# Altium PCB PFC_Stage.PcbDoc (part 2 of 5) (continued)
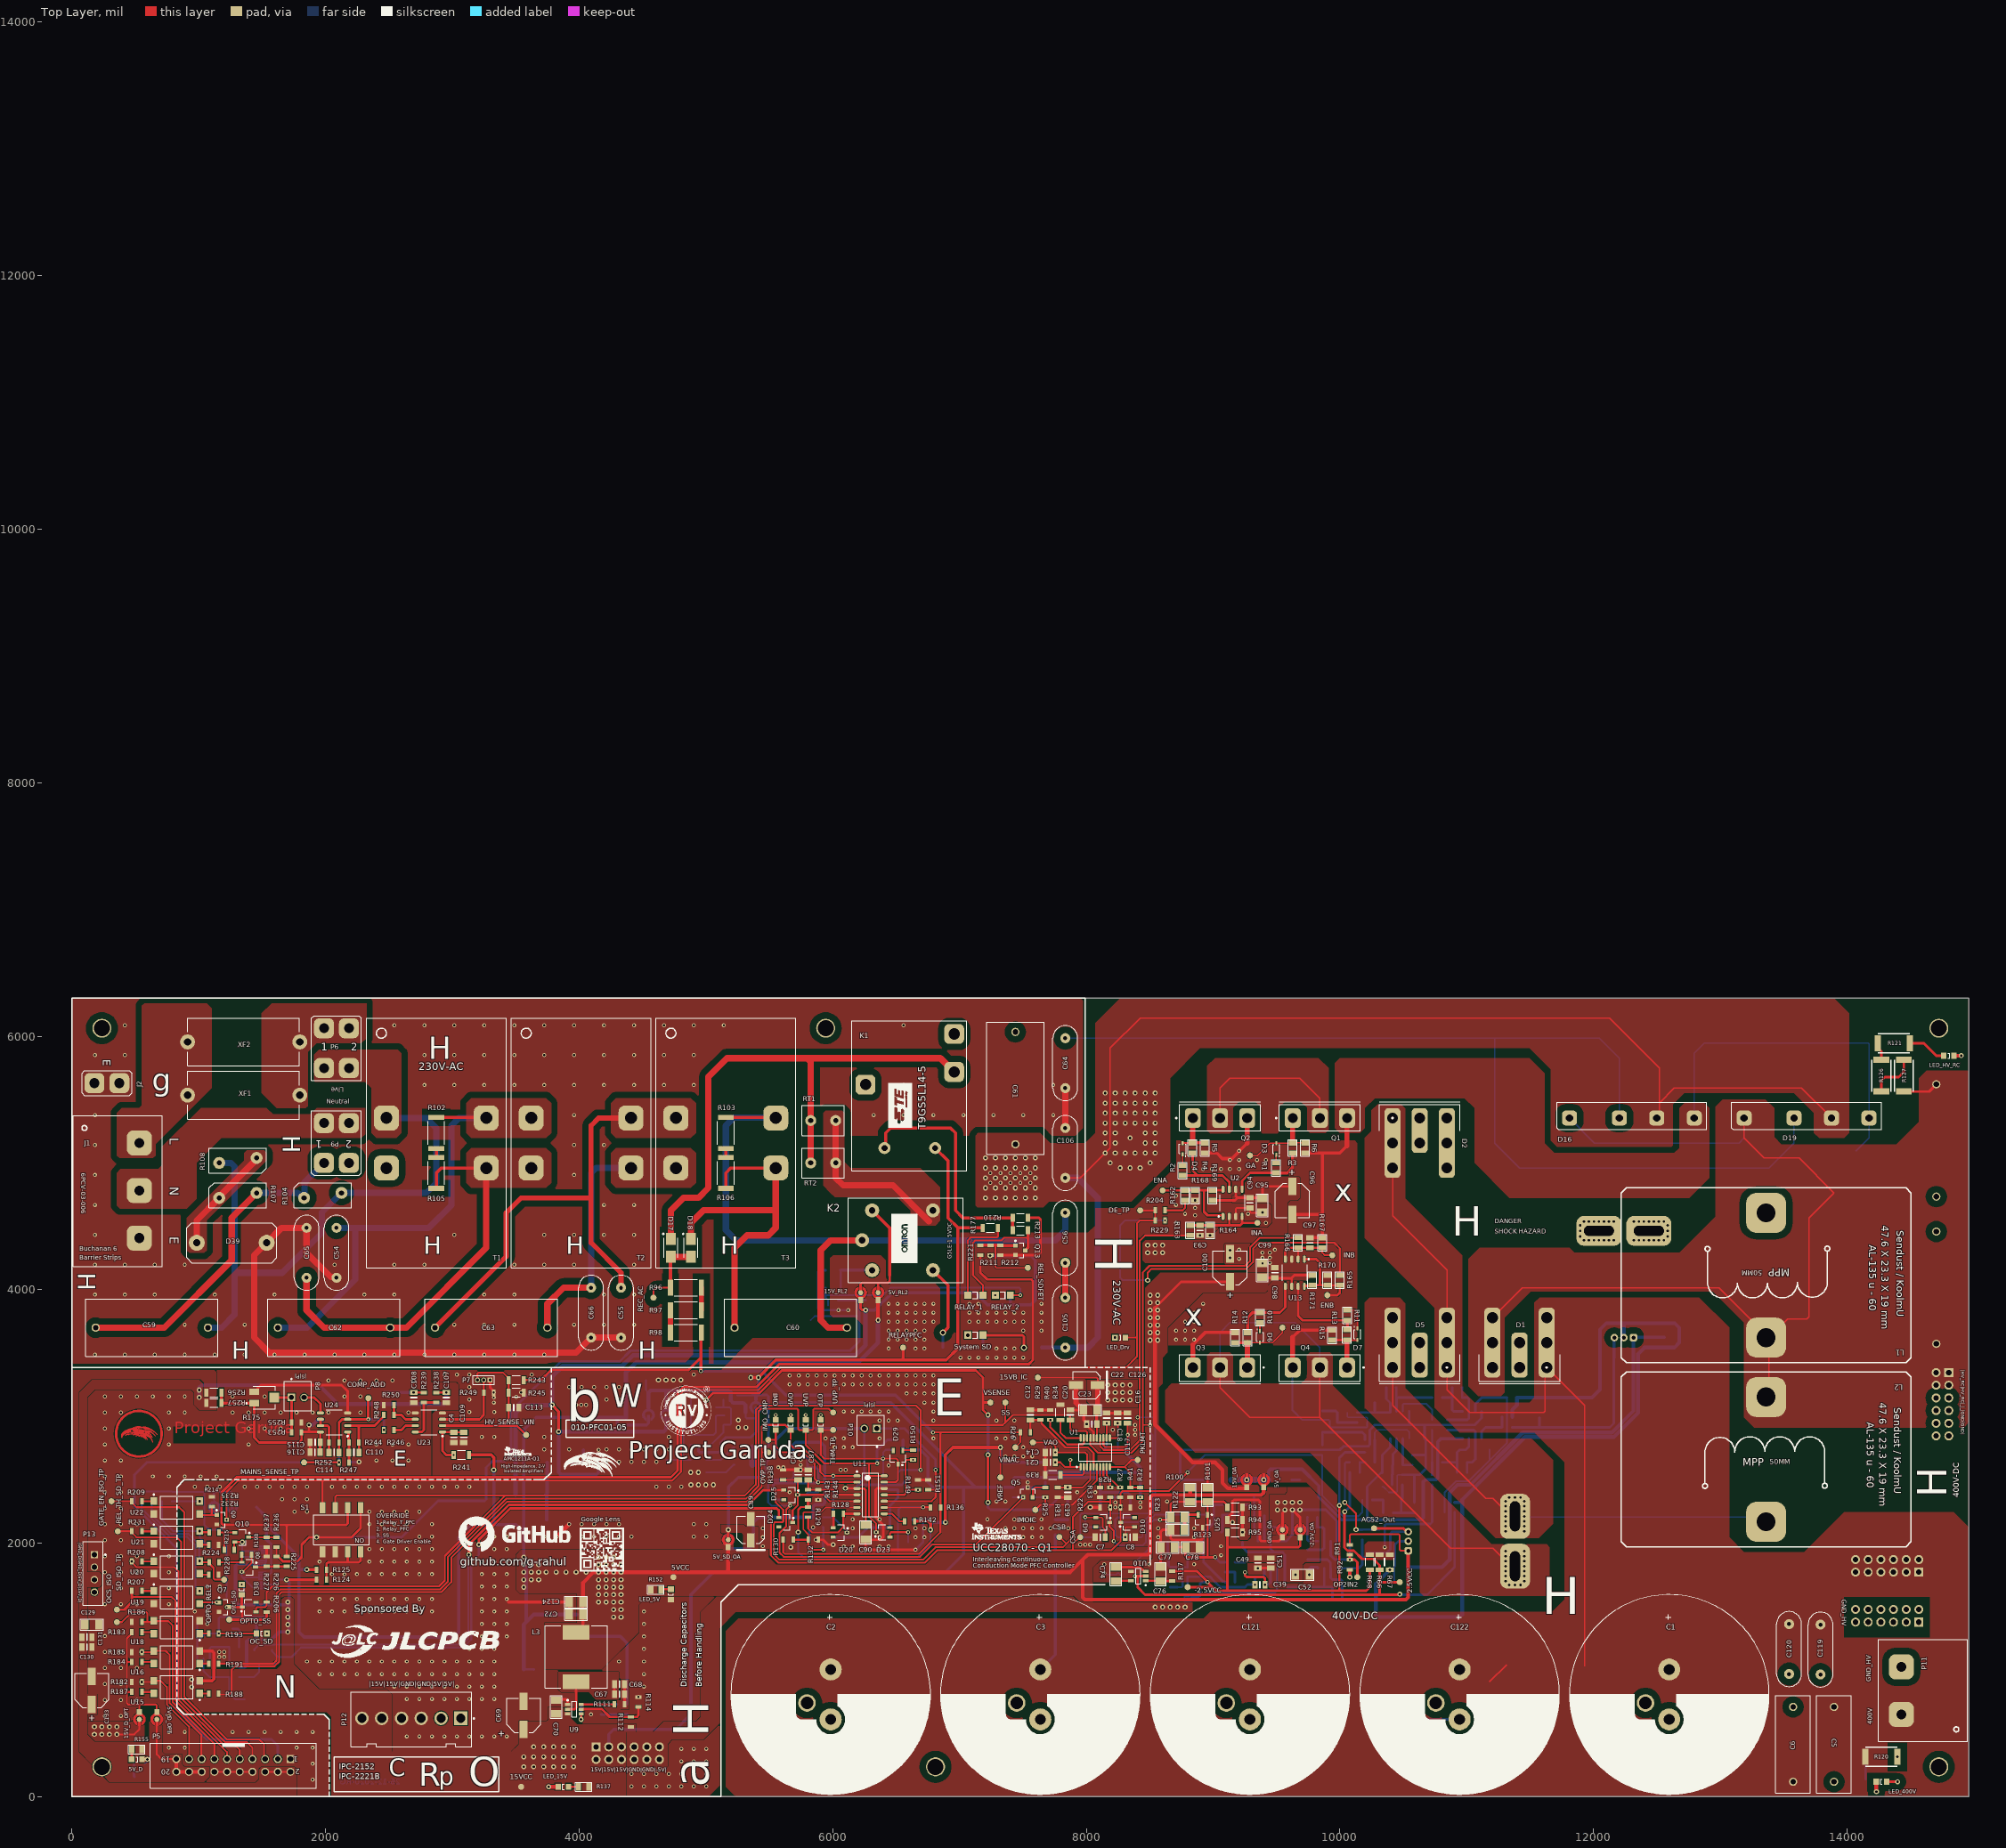
[diagram p0: Top Layer view]
## Part data (continued)
R7 R8 R9: library part 560050332001, "WRIS-KSKE Thick Film Resistors, size 1206, 0.05Ohm, +/-1%, 0.5W", Operating Temperature="-55 to +155degC", Rated Current=3.16A, Rated Power=0.5W, Resistance Tolerance=+/-1%, Temperature Coefficient of Resistance=250ppm/degC, ComponentLink1Description=Manufacturer, ComponentLink1URL=http://www.we-online.de, ComponentLink2Description=Datasheet, ComponentLink2URL=https://katalog.we-online.com/pbs/datasheet/560050332001.pdf, Height=0.6mm, Length=3.1mm, Mounting Technology=SMT, Packaging="Tape and Reel", Part Number=560050332001, Published Date="September 2019", Publisher="Wurth Elektronik", Resistance=0.05Ohm, Size=1206, Technical Reference=KE1206R050F102LAATP0000, Width=1.6mm
R16 R17 R18 R19 R20 R21 R22 R23 R24 R25 R26 R27 R28 R29 R30 R31 R32 R33 R34 R35 R36 R37 R38 R39 R40 R41 R42 R43 R44 R45 R46 R47 R48 R49 R50 R51 R52 R53 R54 R55 R56 R57 R58 R59 R60 R61 R62 R63 R64 R65 R66 R67 R68 R69 R70 R71 R72 R73 R74 R75 R76 R77 R78 R79 R80 R81 R82 R83 R84 R85 R86 R87 R88 R89 R90 R91 R92 R93 R94 R95 R99 R109 R110 R111 R112 R113 R114 R115 R116 R117 R124 R125 R128 R129 R130 R131 R132 R134 R135 R136 R138 R139 R140 R141 R142 R143 R144 R147 R148 R149 R150 R151 R156 R157 R158 R159 R160 R161 R176 R189 R190 R192 R194 R195 R196 R198 R199 R204 R206 R210 R211 R212 R213 R214 R215 R217 R218 R219 R220 R221 R224 R225 R226 R227 R229 R235 R236 R237 R238 R239 R241 R243 R244 R245 R246 R247 R248 R249 R250 R251 R252 R253 R255 R256 R257: library part Res1, "Resistor", LatestRevisionDate=17-Jul-2002, LatestRevisionNote="Re-released for DXP Platform.", PackageDescription="Axial Device, Thru-Hole; 2 Leads; 0.3 in Pin Spacing", PackageReference=AXIAL-0.3, Published=8-Jun-2000, Publisher="Altium Limited"
R96 R97 R98 R102 R103 R105 R106 R179: library part Res3, "Resistor", LatestRevisionDate=29-May-2009, LatestRevisionNote="IPC-7351 Footprint Added.", PackageDescription="Chip Resistor", PackageReference=J1-0603, Published=8-Jun-2000, Publisher="Altium Limited"
R100 R101: library part ERJ-8ENF4700V, "RES SMD 470 OHM 1% 1/4W 1206", Digi-Key Part Number=P470FCT-ND, Manufacturer="Panasonic Electronic Components", Operating Temperature="-55°C ~ 155°C", Package / Case="1206 (3216 Metric)", Power (Watts)="0.25W, 1/4W", Supplier Device Package=1206, Temperature Coefficient=±100ppm/°C, Tolerance=±1%, @ qty=1500, Composition="Thick Film", Datasheets=http://industrial.panasonic.com/www-cgi/jvcr13pz.cgi?E+PZ+3+AOA0002+ERJ8ENF4700V+7+WW, Factory Stock=0, Failure Rate=-, Features="Automotive AEC-Q200", Height - Seated (Max)="0.028\" (0.70mm)", Image=//media.digikey.com/Renders/Panasonic%20Renders/ERJ-1206%20Pkg.jpg, Minimum Quantity=1, Number of Terminations=2, Packaging="Cut Tape (CT)", Part Number=ERJ-8ENF4700V, Part Status=Active, Quantity Available=55045, Series=ERJ, Size / Dimension="0.126\" L x 0.063\" W (3.20mm x 1.60mm)", Unit Price (USD)=0.00933
R104 R107 R108: "Varistor (Voltage-Sensitive Resistor)", Code_IPC=RESC2012, LatestRevisionDate=29-May-2009, LatestRevisionNote="IPC-7351 Footprint Added.", PackageDescription="Chip Resistor 0805 Case Size", PackageReference=6-0805, PackageVersion=Mar-2003, Published=24-Mar-1999, Publisher="Altium Limited"
R118 R119 R120 R121 R126 R127: library part ERJ-1TNF1302U, "RES SMD 13K OHM 1% 1W 2512", Digi-Key Part Number=PT13.0KAFCT-ND, Manufacturer="Panasonic Electronic Components", Operating Temperature="-55°C ~ 155°C", Package / Case="2512 (6432 Metric)", Power (Watts)=1W, Supplier Device Package=2512, Temperature Coefficient=±100ppm/°C, Tolerance=±1%, @ qty=1500, Composition="Thick Film", Datasheets=http://industrial.panasonic.com/www-cgi/jvcr13pz.cgi?E+PZ+3+AOA0002+ERJ1TNF1302U+7+WW, Factory Stock=0, Failure Rate=-, Features="Automotive AEC-Q200", Height - Seated (Max)="0.028\" (0.70mm)", Image=//media.digikey.com/Renders/Panasonic%20Renders/ERJ-2512%20Pkg.jpg, Minimum Quantity=1, Number of Terminations=2, Packaging="Cut Tape (CT)", Part Number=ERJ-1TNF1302U, Part Status=Active, Quantity Available=2142, Series=ERJ, Size / Dimension="0.252\" L x 0.126\" W (6.40mm x 3.20mm)", Unit Price (USD)=0.14799
R122 R123: library part ERJ-8ENF1002V, "RES SMD 10K OHM 1% 1/4W 1206", Digi-Key Part Number=P10.0KFCT-ND, Manufacturer="Panasonic Electronic Components", Operating Temperature="-55°C ~ 155°C", Package / Case="1206 (3216 Metric)", Power (Watts)="0.25W, 1/4W", Supplier Device Package=1206, Temperature Coefficient=±100ppm/°C, Tolerance=±1%, @ qty=1500, Composition="Thick Film", Datasheets=http://industrial.panasonic.com/www-cgi/jvcr13pz.cgi?E+PZ+3+AOA0002+ERJ8ENF1002V+7+WW, Factory Stock=0, Failure Rate=-, Features="Automotive AEC-Q200", Height - Seated (Max)="0.028\" (0.70mm)", Image=//media.digikey.com/Renders/Panasonic%20Renders/ERJ-1206%20Pkg.jpg, Minimum Quantity=1, Number of Terminations=2, Packaging="Cut Tape (CT)", Part Number=ERJ-8ENF1002V, Part Status=Active, Quantity Available=1108398, Series=ERJ, Size / Dimension="0.126\" L x 0.063\" W (3.20mm x 1.60mm)", Unit Price (USD)=0.00933
R133 R145 R146 R154 R197: library part 560050320001, "WRIS-KSKE Thick Film Resistors, size 0805, 0.1Ohm, +/-1%, 0.33W", Operating Temperature="-55 to +155degC", Rated Current=1.81A, Rated Power=0.33W, Resistance=0.1Ohm, Resistance Tolerance=+/-1%, Temperature Coefficient of Resistance=250ppm/degC, ComponentLink1Description=Manufacturer, ComponentLink1URL=http://www.we-online.de, ComponentLink2Description=Datasheet, ComponentLink2URL=https://katalog.we-online.com/pbs/datasheet/560050320001.pdf, Height=0.6mm, Length=2mm, Mounting Technology=SMT, Packaging="Tape and Reel", Part Number=560050320001, Published Date="September 2019", Publisher="Wurth Elektronik", Size=0805, Technical Reference=KE0805R100F103LAATP0000, Width=1.25mm
R137 R152 R153 R155 R180 R181: library part ERJ-6ENF4701V, "RES SMD 4.7K OHM 1% 1/8W 0805", Digi-Key Part Number=P4.70KCCT-ND, Manufacturer="Panasonic Electronic Components", Operating Temperature="-55°C ~ 155°C", Package / Case="0805 (2012 Metric)", Power (Watts)="0.125W, 1/8W", Supplier Device Package=0805, Temperature Coefficient=±100ppm/°C, Tolerance=±1%, @ qty=1500, Composition="Thick Film", Datasheets=http://industrial.panasonic.com/www-cgi/jvcr13pz.cgi?E+PZ+3+AOA0002+ERJ6ENF4701V+7+WW, Factory Stock=0, Failure Rate=-, Features="Automotive AEC-Q200", Height - Seated (Max)="0.028\" (0.70mm)", Image=//media.digikey.com/Renders/Panasonic%20Renders/ERJ-0805%20Pkg.jpg, Minimum Quantity=1, Number of Terminations=2, Packaging="Cut Tape (CT)", Part Number=ERJ-6ENF4701V, Part Status=Active, Quantity Available=312387, Series=ERJ, Size / Dimension="0.079\" L x 0.049\" W (2.00mm x 1.25mm)", Unit Price (USD)=0.00729
R162 R163 R164 R165 R166 R167 R168 R169 R170 R171: library part ERJ-6BQF6R8V, "RES SMD 6.8 OHM 1% 1/3W 0805", Digi-Key Part Number=P15997CT-ND, Manufacturer="Panasonic Electronic Components", Operating Temperature="-55°C ~ 125°C", Package / Case="0805 (2012 Metric)", Power (Watts)="0.333W, 1/3W", Supplier Device Package=0805, Temperature Coefficient=±200ppm/°C, Tolerance=±1%, @ qty=1500, Composition="Thick Film", Datasheets=https://industrial.panasonic.com/cdbs/www-data/pdf/RDA0000/AOA0000C239.pdf, Factory Stock=0, Failure Rate=-, Features="Automotive AEC-Q200, Current Sense", Height - Seated (Max)="0.028\" (0.70mm)", Image=//media.digikey.com/Renders/Panasonic%20Renders/ERJ-0805%20Pkg.jpg, Minimum Quantity=1, Number of Terminations=2, Packaging="Cut Tape (CT)", Part Number=ERJ-6BQF6R8V, Part Status=Active, Quantity Available=7268, Series=ERJ, Size / Dimension="0.079\" L x 0.049\" W (2.00mm x 1.25mm)", Unit Price (USD)=0.07013
R172 R173 R174 R177 R178 R240 R242: library part 560050332011, "WRIS-KSKE Thick Film Resistors, size 1206, 3.3Ohm, +/-1%, 0.5W", Operating Temperature="-55 to +155degC", Rated Current=0.38A, Rated Power=0.5W, Resistance Tolerance=+/-1%, Temperature Coefficient of Resistance=+/-100ppm/degC, ComponentLink1Description=Manufacturer, ComponentLink1URL=http://www.we-online.de, ComponentLink2Description=Datasheet, ComponentLink2URL=https://katalog.we-online.com/pbs/datasheet/560050332011.pdf, Height=0.6mm, Length=3.1mm, Mounting Technology=SMT, Packaging="Tape and Reel", Part Number=560050332011, Published Date="September 2019", Publisher="Wurth Elektronik", Resistance=3.3Ohm, Size=1206, Technical Reference=KE12063R30F102KAATP0000, Width=1.6mm
R175: library part CMP-2000-05590-1, "4 mm Square Trimpot(R) Trimming Potentiometer, 5 KOhm, +/- 20%, 0.25 W, -55 to 125 degC, 3-Pin SMD, RoHS, Tape and Reel", Manufacturer=Bourns, Package=J-lead, Package Description="3-Pin Surface Mount Device, Body 4.5 x 4.5 mm, Pitch 1.15 mm", Package Reference=3314J-1, Power=250, Resistance=5, Temperature range=-55...+125°C, Tolerance=±20%, Angle of rotation=240°, Curve=linear, Datasheet URL=http://www.bourns.com/docs/Product-Datasheets/3314.pdf, Datasheet Version=05/2016, Manufacturer URL=http://www.bourns.com/, Mounting Technology=SurfaceMount
R182 R183 R184 R185 R186 R187 R188 R191 R193 R200 R201 R202 R203 R205 R207 R208 R209 R228 R230 R231 R232: library part 560050320011, "WRIS-KSKE Thick Film Resistors, size 0805, 1Ohm, +/-1%, 0.33W", Operating Temperature="-55 to +155degC", Rated Current=0.57A, Rated Power=0.33W, Resistance Tolerance=+/-1%, Temperature Coefficient of Resistance=+/-100ppm/degC, ComponentLink1Description=Manufacturer, ComponentLink1URL=http://www.we-online.de, ComponentLink2Description=Datasheet, ComponentLink2URL=https://katalog.we-online.com/pbs/datasheet/560050320011.pdf, Height=0.6mm, Length=2mm, Mounting Technology=SMT, Packaging="Tape and Reel", Part Number=560050320011, Published Date="September 2019", Publisher="Wurth Elektronik", Resistance=1Ohm, Size=0805, Technical Reference=KE08051R00F103KAATP0000, Width=1.25mm
RELAY_1 RELAY_2 "System SD": "SMD mono-color Chip LED, WL-SMCW, Bright Green", Color="Bright Green", ComponentLink1Description="Manufacturer URL", ComponentLink1URL=http://www.we-online.com, ComponentLink2Description=Datasheet, ComponentLink2URL=http://katalog.we-online.com/led/datasheet/150120VS75000.pdf, PackageReference=1206_A, PartNumber=150120VS75000
RT1 RT2: "Thermistor", Code_IPC=RESC2012, LatestRevisionDate=29-May-2009, LatestRevisionNote="IPC-7351 Footprint Added.", PackageDescription="Chip Resistor 0805 Case Size", PackageReference=6-0805, PackageVersion=Mar-2003, Published=24-Mar-1999, Publisher="Altium Limited"
S1: "WS-DISV Small Compact SMT Dip Switch, Raised Actuator, pitch 2.54mm, 4p", Operating Temperature="-40 to +85degC", Rated Current Non-Switching=100mA, Rated Current Switching=25mA, Rated Voltage Non-Switching=50VDC, Rated Voltage Switching=24VDC, Actuator Type="Raise Type", Circuit=SPST-NO, ComponentLink1Description=Manufacturer, ComponentLink1URL=http://www.we-online.de, ComponentLink2Description=Datasheet, ComponentLink2URL=https://katalog.we-online.com/em/datasheet/418121270804.pdf, Contact Material="Copper Alloy", Contact Plating=Gold, Mounting Technology=SMT, Operation Force=600g, Packaging="Tape and Reel", Part Number=418121270804, Pitch=2.54mm, Pole Number=4, Published Date="September 2019", Publisher="Wurth Elektronik"
T1 T2 T3: library part "Trans Eq", "Transformer (Equivalent Circuit Model)", LatestRevisionDate=17-Jul-2002, LatestRevisionNote="Re-released for DXP Platform.", PackageDescription="Transformer; 4 Leads", PackageReference=TRF_4, Published=8-Jun-2000, Publisher="Altium Limited"
U1: library part CMP-0333-00336-2, "Two-Phase Interleaved CCM PFC Controller with Extended Frequency Range (10 kHz to 300 kHz), 21 V, 20 mA Startup Current, -40 to 125 degC, 20-pin TSSOP (PW), Green (RoHS & no Sb/Br)", Average Current Mode=TRUE, Manufacturer="Texas Instruments", Operating Supply Current(mA)=20, Operating Supply(Max)(V)=21, Practical Operating Frequency(Max)(MHz)=0.3, Rating=Catalog, > 750W Applications=TRUE, Code_JEDEC=MO-153, ComponentLink1Description=Datasheet, ComponentLink1URL=http://www.ti.com/general/docs/lit/getliterature.tsp?genericPartNumber=UCC28070A&fileType=pdf, DatasheetVersion=SLUSAW0, Duty Cycle(Max)(%)=99, Eco-Plan="Green (RoHS & no Sb/Br)", Interleaved=TRUE, Mounting Technology="Surface Mount", OVP=TRUE, PackageDescription="20-Pin Plastic Thin Small Outline Package 6.5 x 4.4 mm Body ,0.65 mm Pitch", PackageReference=PW0020A, PackageVersion="revG, Feb-2011", PartNumber=UCC28070APW, Startup Current(mA)=20, UVLO Thresholds On/Off(V)=10.2/9.2, Vref tol(%)=3, Vref(V)=6
U2 U13: library part UCC27524A
U3 U4 U6 U7 U24: library part MCP602_2, "2.7V to 6.0V Single Supply CMOS Operational Amplifier, 8-Pin SOIC, Industrial Temperature", Code_IPC=SOIC127P600-8, Code_JEDEC=MS-012, ComponentLink1Description="Manufacturer URL", ComponentLink1URL=http://www.microchip.com/, ComponentLink2Description=Datasheet, ComponentLink2URL=http://ww1.microchip.com/downloads/en/DeviceDoc/21314g.pdf, ComponentLink3Description="Package Specification", ComponentLink3URL=http://www.microchip.com/stellent/groups/techpub_sg/documents/packagingspec/en012702.pdf, DatasheetVersion="revG, Dec-2007", PackageDescription="8-Lead Plastic Small Outline (SN) - Narrow, 3.90mm Body [SOIC]", PackageReference=SOIC-SN8, PackageVersion="revBB, Aug-2009", RevisionNote="URLs added."
U5 U8: "Current Sensor 50A 1 Channel Hall Effect, Open Loop Unidirectional 5-CB Formed Leads, PFF", Package="5-CB-5 Allegro MicroSystems LLC", Availability=Unavailable, MF="Allegro MicroSystems LLC", MP=ACS758, Price=None, SnapEDA_Link=https://www.snapeda.com/parts/ACS758/Allegro%20MicroSystems%20LLC/view-part/226237/?ref=snap
U9: "Imported", Manufacturer="Texas Instruments", PartNumber=TPS54302DDC, Manufacturer_Name="Texas Instruments", Manufacturer_Part_Number=TPS54302DDCR, RefDes=RefDes, Type=TYPE
U10: library part CMP-0391-00003-2, "-1.8 to -5.25 V, Inverting Charge Pump Regulator, 60 mA, 1.8 to 5.25 V Input with 2-Cell Alkaline / Nixx Input, -40 to 85 degC, 5-pin SOT23 (DBV5), Green (RoHS & no Sb/Br)", Manufacturer="Texas Instruments", Switching Frequency(Max)(kHz)=300, 2-Cell Alkaline/Nixx Input=TRUE, Code_JEDEC=MO-178, ComponentLink1Description="Manufacturer URL", ComponentLink1URL=http://www.ti.com/, ComponentLink2Description=Datasheet, ComponentLink2URL=http://www.ti.com/general/docs/lit/getliterature.tsp?genericPartNumber=TPS60403&fileType=pdf, ComponentLink3Description="Package Specification", ComponentLink3URL=http://www.ti.com/litv/pdf/mpds018i, DatasheetVersion=SLVS324A, Eco-Plan="Green (RoHS & no Sb/Br)", Efficiency(Typ)(%)=99, Iout(Max)(A)=0.06, Iq(Typ)(mA)=0.425, Mounting Technology="Surface Mount", PackageDescription="5-Pin Plastic Small Outline, Body 1.60 Ãƒâ€” 2.90 mm, Pitch 0.95 mm", PackageReference=DBV0005A, PackageVersion=4073253-4/K, PartNumber=TPS60403DBVT, Topology="Inverting Buck/Boost", Vin(Max)(V)=5.25, Vin(Min)(V)=1.8, Vout(Max)(V)=-5.25, Vout(Min)(V)=-1.8
U11: library part LM339, "Single Supply Quad Comparators, 0 to 70 degC, 14-Pin SOIC, Pb-Free, Tape and Reel", Manufacturer="On Semiconductor", ComponentLink1Description="Manufacturer URL", ComponentLink1URL=http://www.onsemi.com/, ComponentLink2Description=Datasheet, ComponentLink2URL=http://www.onsemi.com/pub_link/Collateral/LM339-D.PDF, ComponentLink3Description="Package Specification", ComponentLink3URL=http://www.onsemi.com/pub_link/Collateral/751A-03.PDF, DatasheetVersion="Rev. 20", IO Typ (mA)=16, Mounting Technology="Surface Mount", PackageDescription="14-Pin Small Outline Integrated Circuit, Body 8.65 x 3.9 mm, Pitch 1.27 mm", PackageReference=SOIC-14-751A-03, PackageVersion="Rev. K, 05/2011", Packing="Tape and Reel", PartNumber=LM339DR2G, RoHS=TRUE
U12: library part CMP-0366-01028-2, "Adjustable Precision Shunt Regulator, 34 ppm / degC, 100 mA, 0 to 70 degC, 3-pin SOT-23 (DBZ), Green (RoHS & no Sb/Br)", Manufacturer="Texas Instruments", Rating=Catalog, Temp Coeff(Typ)(ppm/ degree C)=34, Code_JEDEC=TO-236, ComponentLink1Description="Manufacturer URL", ComponentLink1URL=http://www.ti.com/, ComponentLink2Description=Datasheet, ComponentLink2URL=http://www.ti.com/general/docs/lit/getliterature.tsp?genericPartNumber=TL431A&fileType=pdf, ComponentLink3Description="Package Specification", ComponentLink3URL=http://www.ti.com/litv/pdf/mpds108a, DatasheetVersion=SLVS543M, Eco-Plan="Green (RoHS & no Sb/Br)", Initial Accuracy @ 25/deg C(%)=1, Iout/Iz(Max)(mA)=100, Min Iz for Regulation(uA)=600, Mounting Technology="Surface Mount", PackageDescription="3-Pin Plastic Small Outline, Body 2.92 x 1.3 mm, Pitch 0.95 mm", PackageReference=DBZ0003A, PackageVersion=4203227/B, PartNumber=TL431ACDBZR, SubFamily="Shunt Voltage Reference", VO Adj(Max)(V)=36, VO Adj(Min)(V)=2.495
U14: library part CMP-0062-01710-3, "3-Terminal Adjustable Regulator, 4-pin SOT-223, Pb-Free", Manufacturer="Texas Instruments", PackageTopMarking=XYTT*N07A, PowerWise=N, Code_IPC=SOT223-4, Code_JEDEC=TO-261-AA, ComponentLink1Description="Datasheet URL", ComponentLink1URL=http://www.ti.com/general/docs/lit/getliterature.tsp?genericPartNumber=LM317-N&fileType=pdf, CompType="LDO IC", PackageDescription="Molded SOT-223, 6.50 x 3.56 x 1.6mm Body, 4 Lead, 2.3mm Pitch", PackageReference=DCY0004A, PinCount=4, RoHS=Y
U15 U16 U18 U19 U20 U21 U22: library part CMP-2000-06279-1, "Phototransistor Optocoupler, 4 us Rise, 3 us Fall, 5000 Vrms, -55 to 110 degC, 4-Pin MDIP, RoHS, Tape and Reel", Manufacturer="Fairchild Semiconductor", Maximum Collector Current=50mA, Maximum Collector Emitter Saturation Voltage=200mV, Maximum Collector Emitter Voltage=70V, Maximum Current Transfer Ratio=160%, Maximum Forward Voltage=1.4V, Maximum Operating Temperature=110C, Maximum Power Dissipation=200mW, Maximum Reverse Voltage=6V, Minimum Current Transfer Ratio=80%, Minimum Isolation Voltage=5000Vrms, Minimum Operating Temperature=-55C, Package Description="4-Pin Surface Mount Device, Body 6.5 x 4.6 mm, Pitch 2.54 mm", Package Reference="MDIP 4L", Package Version=10/2014, Supplier_Package=PDIPSMDBlack, Typical Forward Voltage=1.2V, Datasheet URL=https://www.fairchildsemi.com/datasheets/FO/FOD817.pdf, Datasheet Version="Rev. 2.8, 11/2015", Family=FOD817, Input Type=DC, Manufacturer URL=https://www.fairchildsemi.com/, Maximum Fall Time=18us, Maximum Input Current=50mA, Maximum Rise Time=18us, Mounting=SurfaceMount, Mounting Technology=SurfaceMount, Number of Channels per Chip=1, Output Device=Transistor, Output Type=DC, Package URL=https://www.fairchildsemi.com/package-drawings/N0/N04C.pdf, Packaging=TapeandReel, Pin_Count=4, Product Height=4mm(Max), Product Length=5.1mm(Max), Product Type=TransistorandPhotovoltaicOutputPhotoCouplers, Product Width=7mm(Max), Typical Fall Time=3us, Typical Rise Time=4us
  U15: Signal=OV
  U16: Signal=UV
  U18: Signal=OC
  U19: Signal=SD
  U20 U21: Signal=Relay
  U22: Signal="Enable Driver"
U17: library part CMP-2000-06550-1, "Low-Power, Dual-Voltage Comparator, 2 to 36 V, 0 to 70 degC, 8-Pin SOIC (SO), RoHS, Tape and Reel", Current - Input Bias (Max)=0.25µA@5V, Current - Output (Typ)=18mA@5V, Current - Quiescent (Max)=2.5mA, Manufacturer=STMicroelectronics, Operating Temperature=0°C~70°C, Package / Case="8-SOIC(0.154\",3.90mmWidth)", Package Description="8-Pin Small Outline Integrated Circuit, Body 4.9 x 3.9 mm, Pitch 1.27 mm", Package Reference=SO-8, Standard Package=2,500, Supplier Device Package=8-SO, Voltage - Input Offset (Max)=5mV@30V, Voltage - Supply, Single/Dual (±)=2V~36V,±1V~18V, Category=IntegratedCircuits(ICs), Datasheet URL=http://www.st.com/content/ccc/resource/technical/document/datasheet/group1/b4/cc/cf/13/18/28/44/f5/CD00000465/files/CD00000465.pdf/jcr:content/translations/en.CD00000465.pdf, Datasheet Version="Rev. 15, 02/2016", EDA / CAD Models=DownloadfromAcceleratedDesigns, Family=Linear-Comparators, Manufacturer URL=http://www.st.com/, Mounting Technology=SurfaceMount, Mounting Type=SurfaceMount, Number of Elements=2, Online Catalog=Comparators-2elements, Other Names=497-1593-2, Other Related Documents=LM393ViewAllSpecificationsLM393ViewAllSpecifications, Output Type=CMOS,DTL,ECL,MOS,Open-Collector,TTL, Packaging=Tape&Reel(TR), Type=GeneralPurpose
U25: library part CMP-0366-01210-2, "Adjustable Precision Shunt Regulator, 34 ppm / degC, 100 mA, -40 to 125 degC, 3-pin SOT-23 (DBZ), Green (RoHS & no Sb/Br)", Manufacturer="Texas Instruments", Rating=Catalog, Temp Coeff(Max)(ppm/ degree C)=92, Temp Coeff(Typ)(ppm/ degree C)=34, Code_JEDEC=TO-236, ComponentLink1Description="Manufacturer URL", ComponentLink1URL=http://www.ti.com/, ComponentLink2Description=Datasheet, ComponentLink2URL=http://www.ti.com/general/docs/lit/getliterature.tsp?genericPartNumber=TL431A&fileType=pdf, ComponentLink3Description="Package Specification", ComponentLink3URL=http://www.ti.com/litv/pdf/mpds108a, DatasheetVersion=SLVS543M, Eco-Plan="Green (RoHS & no Sb/Br)", Initial Accuracy @ 25/deg C(%)=1, Iout/Iz(Max)(mA)=100, Min Iz for Regulation(uA)=600, Mounting Technology="Surface Mount", PackageDescription="3-Pin Plastic Small Outline, Body 2.92 x 1.3 mm, Pitch 0.95 mm", PackageReference=DBZ0003A, PackageVersion=4203227/B, PartNumber=TL431AQDBZR, SubFamily="Shunt Voltage Reference", VO Adj(Max)(V)=36, VO Adj(Min)(V)=2.495
VR2: library part LD117-3.3, "Voltage Regulator", LatestRevisionDate=29-May-2009, LatestRevisionNote="IPC-7351 Footprint Added.", PackageDescription="3-Pin Transistor Outline Package 2.54 mm Pitch, 15.1 mm Lead Span", PackageReference=D2PAK, Published=24-Mar-1999, Publisher="Altium Limited"
XF1 XF2: library part CMP-1502-00239-1, "WR-FSH Fuse Holder Blocks Fuse Holder Blocks Clip Cover for PCB - THR Version", Manufacturer="Wurth Elektronik", Operating Temperature=-30to120degC, Datasheet URL=https://katalog.we-online.de/em/datasheet/696103201002.pdf, Fuse Size=5x20mm, Manufacturer URL=http://www.we-online.de, Mounting Technology=THR, Package Reference=696103201002, Packaging=Box, Part Number=696103201002, Publisher=WurthElektronik
J3 J4 J5 J6 J7 J8: LatestRevisionDate=17-Jul-2002, LatestRevisionNote="Re-released for DXP Platform.", Publisher="Altium Limited"

## Via types
v1: diameter 31.5, hole 15.75, Top Layer to Bottom Layer, tented both sides, 804 vias
v2: diameter 39.37, hole 19.68, Top Layer to Bottom Layer, tented both sides, 282 vias
v3: diameter 50, hole 19.68, Top Layer to Bottom Layer, tented both sides, 68 vias
v4: diameter 50, hole 28, Top Layer to Bottom Layer, tented both sides, 3 vias

## Nets (pads, with @x,y where several pads share a name; then routed paths per layer and width w, separated by ;. In a path a pad name is that pad's centre, name@x,y a point inside that pad or via, vN(x,y) a via of type N, cw(c..) or ccw(c..) an arc to the next point about the centre after c; other vN are vias at no path point)
2.5V_A: 2.5VCC.1 C75.2 C77.2 C78.2 R61.1 R64.2 R66.1 R88.1 R93.1 R100.2 R101.1 R122.2 U10.2 U25.1 | length 6717.1
  Top Layer w15: v1(8385.04,1740.96) v1@8385.17,1741.09
  Top Layer w20: v1@8385.17,1741.09 8417.23,1741.09 ; U10.2@8468.5,1741.09 8417.23,1741.09 ; v1(8582.68,2185.04) 8645.79,2185.04 R122.2@8665.47,2204.72 8665.47,2307.2 8685.16,2326.89 R100.2@8818.9,2326.89 R101.1@8956.69,2326.89 ; C77.2@8696.73,1968.5 C78.2@8783.58,1968.5 8783.58,1901.48 8795.3,1889.76 8956.69,1889.76 ; v1(9015.75,1889.76) 8956.69,1889.76 ; R93.1@9113.19,2283.46 9113.19,2298.23 9084.53,2326.89 R101.1@8956.69,2326.89 ; v2(10039.37,2247.97) 10036.26,2244.86 10036.26,1966.69 10062.16,1940.79 10110.75,1940.79 10175.71,1875.83 10265.1,1875.83 10314.96,1825.96 R66.1@10314.96,1790.35 10313.28,1788.68 10313.28,1691.58 ; v2(10472.44,1597.68) 10469.25,1594.49 10313.28,1594.49 ; 2.5VCC.1@10472.44,1692.91 10471.11,1691.58 10313.28,1691.58 ; 8417.23,1741.09 8405.51,1729.38 8405.51,1653.54 8464.57,1594.49 10313.28,1594.49 ; 8956.69,1889.76 R101.1@8956.69,2326.89 ; 10313.28,1594.49 10313.28,1691.58
  Bottom Layer w15: v1(8385.04,1740.96) 8385.04,1847.29 8492.68,1954.94 8492.68,2142.04 8535.68,2185.04 v1(8582.68,2185.04)
  Bottom Layer w20: v1(9015.75,1889.76) 9054.4,1851.11 9093.77,1851.11 R88.1@9094.49,1850.39 ; v2(10039.37,2247.97) 10078.74,2287.34 R61.1@10078.74,2559.06 ; v2(10472.44,1597.68) 10475.63,1594.49 10688.98,1594.49 10905.51,1811.02 R64.2@10905.51,2244.09
5V_A: 5V_OA.1 5V_OPT.2 5V_PNP_R1.2 5V_PNP_R2.2 5V_RL1.2 5V_RL2.1 5V_SD_OA.1 5VCC.1 C32.2 C33.2 C47.2 C48.2 C71.2 C72.1 C124.1 C125.1 L3.2 P12.1 P12.2 R91.2 R100.1 R109.2 R110.2 R113.2 R125.1 R152.1 R241.2 U5.1 U8.1 | length 26518.3
  Top Layer w15: R91.2@10078.74,1987.87 10078.74,2063.4 10087.53,2072.19 10463.65,2072.19 10472.44,2063.4 10472.44,1949.34 10481.23,1940.55 U8.1@10539.37,1940.55
  Top Layer w25: v2(1852.33,1791.64) 1852.48,1791.49 1928.98,1791.49 R125.1@1929.13,1791.34 ; R241.2@3130.91,2696.85 3307.09,2696.85 3326.77,2677.17 v2(3326.77,2578.74) ; L3.2@3976.38,1297.24 3986.79,1297.24 4031.38,1341.83 C72.1@4031.38,1437.01 C124.1@4031.38,1535.43 ; R100.1@8808.9,2436.89 R100.1@8818.9,2436.89
  Top Layer w30: C124.1@4031.38,1535.43 4031.38,1688.86 4114.17,1771.65 v2(4153.54,1771.65) v2(4212.6,1771.65) v2(4271.65,1771.65) v2(4330.71,1771.65) 5176.02,1771.65 ; 5V_SD_OA.1@5176.02,1944.88 5176.02,1771.65 ; R100.1@8808.9,2436.89 8818.9,2426.89 8818.9,2381.89 ; 5V_OA.1@9400,2433.07 9400,2400 9380.67,2380.67 9252.2,2380.67 9251.97,2380.91 8521.65,2380.91 8504.07,2363.33 8504.07,1927.02 8486.5,1909.45 8011.81,1909.45 7972.44,1870.08 ; U8.1@10539.37,1940.55 10539.37,1572.69 10521.8,1555.12 7990.01,1555.12 7972.44,1572.69 7972.44,1870.08 ; 5176.02,1771.65 7874.02,1771.65 7972.44,1870.08
  Top Layer w35: v2(6358.27,3759.84) 5V_RL2.1@6358.27,3917.32
  Bottom Layer w15: 5V_PNP_R1.2@1530.98,1751.97 1555.12,1751.97 1569.88,1766.73 1569.88,1951.2 ; 5V_PNP_R2.2@1530.98,1957.85 1563.23,1957.85 1569.88,1951.2 ; 1569.88,1994.53 1569.88,1957.85 1569.88,1951.2
  Bottom Layer w20: R109.2@3562.99,1005.91 3563.48,1005.41 3641.24,1005.41 R110.2@3641.73,1004.92
  Bottom Layer w25: 1457.68,2282.48 1535.43,2204.72 1535.43,2145.67 ; 1569.88,1994.53 1535.43,2028.98 1535.43,2145.67 ; v2(1852.33,1791.64) 1852.03,1791.34 1791.34,1791.34 ; v2(3326.77,2578.74) 3326.77,2145.67 ; 3582.68,1377.95 3582.68,1873.66 3564.78,1891.56 v2(3562.99,1889.76) 3562.99,2086.61 ; C71.2@3996.06,1263.78 4326.77,1263.78 4378.58,1211.97 R113.2@4378.58,730.32 ; 4370.08,2992.13 4299.7,2992.13 ; 4547.21,2956.5 4547.21,2947.72 4532.57,2933.07 4314.35,2933.07 4299.7,2947.72 4299.7,2992.13 ; C48.2@10537.66,1812.12 10538.51,1812.97 10538.51,1939.69 U8.1@10539.37,1940.55 ; U5.1@12315.75,3622.05 12317.78,3624.07 12438.92,3624.07 C32.2@12440.94,3626.1 C33.2@12559.06,3626.1 ; 1535.43,2145.67 1712.6,1968.5 1791.34,1889.76 1791.34,1791.34 ; 1791.34,1791.34 1791.34,1299.21 1830.71,1259.84 3011.81,1259.84 3051.18,1299.21 3051.18,2047.24 3149.61,2145.67 3326.77,2145.67 ; 3326.77,2145.67 3503.94,2145.67 3562.99,2086.61 ; 3562.99,2086.61 3562.99,2893.7 3661.42,2992.13 4299.7,2992.13
  Bottom Layer w30: R109.2@3562.99,1005.91 3562.99,1358.27 3582.68,1377.95 3641.73,1437.01 C125.1@3980.43,1437.01 ; C47.2@10535.94,1690.8 10536.8,1691.66 10536.8,1811.26 C48.2@10537.66,1812.12 10538.75,1811.02 10807.09,1811.02 10866.14,1870.08 10866.14,2397.99 10928.78,2460.63 11029.12,2460.63 11442.5,2874.02 12145.67,2874.02 12315.75,3044.09 U5.1@12315.75,3622.05
  Bottom Layer w35: 4370.08,2992.13 4370.08,3346.46 4448.82,3425.2 6200.79,3425.2 6358.27,3582.68 v2(6358.27,3759.84)
  other v2: 4271.65,1417.32 4330.71,1417.32 4271.65,1476.38 4330.71,1476.38 4153.54,1535.43 4212.6,1535.43 4271.65,1535.43 4330.71,1535.43 4153.54,1594.49 4212.6,1594.49 4271.65,1594.49 4330.71,1594.49 3562.99,1653.54 4153.54,1653.54 4212.6,1653.54 4271.65,1653.54 4330.71,1653.54 3562.99,1712.6 3622.05,1712.6 3681.1,1712.6 4153.54,1712.6 4212.6,1712.6 4271.65,1712.6 4330.71,1712.6 3562.99,1771.65 3622.05,1771.65 3681.1,1771.65 3740.16,1771.65 3818.9,1771.65 3897.64,1771.65 3976.38,1771.65 4055.12,1771.65 3562.99,1830.71 3622.05,1830.71 3681.1,1830.71 4153.54,1830.71 4212.6,1830.71 4271.65,1830.71 4330.71,1830.71 4153.54,1889.76 4212.6,1889.76 4271.65,1889.76 4330.71,1889.76
5V_D: 5V_D_OPT.2 C107.1 C129.1 C130.1 C131.1 C133.2 P5.16 P5.18 P5.19 P5.20 P13.3 R155.1 R238.1 R257.2 VR2.3 | length 3004.8
  Top Layer w15: 5V_D_OPT.2@669.29,610.24 669.29,334.65 707.09,296.85 P5.19@823.62,296.85
  Top Layer w20: R238.1@2874.02,3188.98 2874.33,3189.29 2952.44,3189.29 v2(2952.76,3189.61)
  Top Layer w30: P5.19@823.62,296.85 P5.20@823.62,196.85 P5.18@923.62,196.85 P5.16@1023.62,196.85
  Bottom Layer w25: v2@2952.6,3189.45 v2(2952.76,3189.61)
  Bottom Layer w30: v2(1003.94,3149.61) v2(1003.94,3208.66) 1003.94,3228.35 1023.62,3248.03 1948.82,3248.03 2098.43,3098.43 VR2.3@2693.9,3098.43 2937.95,3098.43 2952.6,3113.07 v2@2952.6,3189.45
12V_Relay: 15V_RL1.2 15V_RL2.1 C102.2 R178.1 R179.2 R211.2 R219.2 R240.2 U14.2 U14.4 | length 8294.7
  Top Layer w20: 15V_RL2.1@6220.47,3917.32 6220.47,3852.91 6232.19,3841.19 6257.23,3841.19 v2(6259.84,3838.58)
  Top Layer w25: v2(3787.4,3090.55) 3838.58,3039.37 v2(3838.58,2879.92) ; v2(7241.69,4268.52) 7244.09,4270.92 R211.2@7244.09,4271.65
  Bottom Layer w20: 4685.04,2935.28 15V_RL1.2@4685.04,3011.81
  Bottom Layer w25: v2(3838.58,2879.92) U14.4@3838.8,2879.7 ; 4133.86,2539.37 4153.54,2559.06 4153.54,2636.81 R240.2@4154.53,2637.8 ; v2(6259.84,3838.58) 6331.56,3838.58 6469.36,3976.38 7125.98,3976.38 7220.47,3881.89 7402.56,3881.89 ; v2(7241.69,4268.52) 7562.19,4268.52 7598.43,4232.28 7598.43,3917.32 7562.99,3881.89 7402.56,3881.89 ; R178.1@7402.56,3956.69 7402.56,3881.89
  Bottom Layer w30: 4133.86,2539.37 3858.27,2539.37 3838.58,2559.06 U14.2@3838.58,2637.8 v2(3838.58,2879.92) 4667.47,2879.92 4685.04,2897.49 4685.04,2935.28
  Bottom Layer w35: R179.2@3500,2381.89 3500,3027.56 3562.99,3090.55 v2(3787.4,3090.55) 3787.4,3314.96 3870.94,3398.5 4340.64,3398.5 4426.39,3484.25 6181.1,3484.25 6259.84,3562.99 v2(6259.84,3838.58) 6259.84,3841.58 R219.2@6259.12,3842.3
15V_A: 15V_OA.1 15V_OPT.2 15V_PNP_R1.2 15V_PNP_R2.2 15V_SD_OA.1 15VB_IC.1 15VCC.1 C22.1 C23.1 C69.2 C70.1 C79.1 C94.2 C95.2 C96.2 C98.2 C99.2 C100.2 C101.1 C126.1 P2.1 P2.2 P2.3 P2.4 P2.5 P2.6 P12.5 P12.6 R19.1 R20.2 R21.2 R101.2 R109.1 R110.1 R112.2 R124.1 R131.1 R133.1 R137.1 R139.1 R141.1 R145.1 R146.1 R148.1 R153.1 R154.1 R169.2 R171.2 R179.1 R181.1 R190.2 R195.1 R197.1 U1.15 U2.6 U9.3 U13.6 U14.3 U17.8 | length 18884.6
  Top Layer w15: 15VB_IC.1@7618.11,3307.09 8081.76,3307.09 8090.55,3298.3 8090.55,3249.21 C22.1@8088.71,3247.36 ; U1.15@8083.66,2830.71 8083.73,2830.77 8083.73,2940.12 C126.1@8083.79,2940.18 ; C23.1@8083.79,3048.47 C23.1@8083.94,3048.62
  Top Layer w20: C23.1@8083.94,3048.62 C23.1@8086.5,3051.18 ; 8543.31,3858.27 8748.03,4062.99 C100.2@9133.86,4062.99 ; 8948.82,2637.8 8956.69,2629.92 R101.2@8956.69,2436.89 ; R169.2@8996.06,4704.09 9172.6,4704.09 9187.19,4718.68 ; U2.6@9178.54,4792.32 9178.54,4738.78 9192.28,4725.04 C94.2@9291.34,4725.04 9385.08,4725.04 C95.2@9389.76,4720.35 9389.76,4803.24 9401.48,4814.96 C96.2@9625.98,4814.96 ; C99.2@9389.76,4098.54 9394.45,4093.86 C98.2@9488.19,4093.86 9491.38,4090.67 9620.67,4090.67 U13.6@9620.67,4026.57 ; 9617.39,4090.67 9641.52,4114.8 R171.2@9783.46,4114.8
  Top Layer w25: v2(1692.91,1712.6) R124.1@1929.13,1712.6 ; C126.1@8083.79,2940.18 C23.1@8083.79,3048.47
  Top Layer w30: 8543.31,3858.27 8543.31,2933.07 8838.58,2637.8 8948.82,2637.8 9015.75,2637.8 9074.8,2578.74 9074.8,2475.92 9117.66,2433.07 15V_OA.1@9265.75,2433.07
  Top Layer w39.37: C23.1@8086.5,3051.18 8088.71,3053.39 C22.1@8088.71,3247.36
  Bottom Layer w15: 1299.21,1829.64 1299.95,1830.38 15V_PNP_R2.2@1470.98,1830.38 ; 15V_PNP_R1.2@1530.98,1675.54 1596.8,1675.54 1633.86,1712.6 v2(1692.91,1712.6)
  Bottom Layer w20: 8110.24,2401.57 8326.77,2401.57 8348,2380.34 R20.2@8348,2283.46
  Bottom Layer w25: 1299.21,1829.64 1290.08,1820.51 1290.08,1539.52 1313.86,1515.75 1619.21,1515.75 1712.6,1515.75 ; R190.2@1318.9,1023.62 1363.31,1023.62 1377.95,1038.27 1377.95,1225.51 1392.6,1240.16 1456.69,1240.16 ; R195.1@1456.69,1358.27 R197.1@1456.69,1287.48 1456.69,1240.16 ; v2(1692.91,1712.6) 1712.6,1692.91 1712.6,1535.43 1712.6,1515.75 ; v2(1702.76,1299.21) 1633.86,1299.21 1574.8,1240.16 1456.69,1240.16 ; v2@1712.6,1299.21 1712.6,1358.27 1712.6,1417.32 1712.6,1476.38 1712.6,1515.75 ; R179.1@3736.91,2381.89 3748.03,2393.01 U14.3@3748.03,2637.8 ; R179.1@3744.09,2381.89 3744.15,2381.83 3744.15,2185.1 C101.1@3744.21,2185.04 ; P2.3@4233.86,393.7 4233.86,493.7 4271.65,531.5 4763.78,531.5 4881.89,649.61 4881.89,1594.49 5059.06,1771.65 5156.69,1771.65 ; R145.1@5551.18,3110.24 R133.1@5669.29,3110.24 R146.1@5787.4,3110.24 R154.1@5905.51,3110.24 6456.69,3110.24 7125.98,2440.94 ; R139.1@5688.98,2716.54 5688.98,2775.59 5708.66,2795.28 5905.51,2795.28 5936.69,2764.09 5936.69,2317.79 5922.05,2303.15 5861.1,2303.15 5846.46,2288.5 R131.1@5846.46,2204.72 5413.39,2204.72 5374.02,2165.35 5374.02,1986.22 5344.49,1956.69 5188.76,1956.69 5188.08,1957.38 5184.35,1957.38 5177.17,1964.57 5177.17,1792.13 5156.69,1771.65 ; R141.1@6555.12,2814.96 R148.1@6555.12,2736.22 6692.91,2736.22 6751.97,2677.17 6751.97,2480.32 6791.34,2440.94 7031.95,2440.94 ; R19.1@8110.24,2283.46 8110.24,2401.57 8110.24,2480.32 8070.87,2519.68 7435.9,2519.68 7421.26,2505.04 R21.2@7421.26,2440.94 7125.98,2440.94 ; 5156.69,1771.65 6889.76,1771.65 7031.95,1913.84 7031.95,2440.94 ; 7031.95,2440.94 7125.98,2440.94
  other v2: 3562.99,236.22 3641.73,236.22 3720.47,236.22 3799.21,236.22 3877.95,236.22 3956.69,236.22 3562.99,314.96 3641.73,314.96 3720.47,314.96 3799.21,314.96 3877.95,314.96 3956.69,314.96 3641.73,393.7 3720.47,393.7 3799.21,393.7 3877.95,393.7 3956.69,393.7 944.88,866.14 944.88,925.2 1702.76,1358.27 1702.76,1417.32 1702.76,1476.38 1702.76,1535.43 8169.29,3129.92 8228.35,3129.92 8287.4,3129.92 8346.46,3129.92 8169.29,3188.98 8228.35,3188.98 8287.4,3188.98 8346.46,3188.98 8169.29,3248.03 8228.35,3248.03 8287.4,3248.03 8346.46,3248.03 8503.94,3602.36 8562.99,3602.36 8503.94,3661.42 8562.99,3661.42 8503.94,3720.47 8562.99,3720.47 8503.94,3779.53 8562.99,3779.53 8503.94,3838.58 8562.99,3838.58 8503.94,3897.64 8562.99,3897.64 8503.94,3956.69 8562.99,3956.69 8484.25,4291.34 8543.31,4291.34 8602.36,4291.34 8484.25,4350.39 8543.31,4350.39 8602.36,4350.39
15V_D: 15V_D_OPT.2 C123.1 C127.1 C128.1 C132.2 P5.2 P5.4 P5.6 P13.4 R180.1 R256.2 | length 432.8
  Top Layer w15: v2(354.33,492.13) 492.13,492.13 531.5,531.5 531.5,570.87 ; P5.6@1523.62,196.85 P5.4@1623.62,196.85 P5.2@1723.62,196.85
  other v2: 177.17,492.13 236.22,492.13 295.28,492.13 177.17,551.18 236.22,551.18 295.28,551.18 354.33,551.18
400V+: C1.1 C2.1 C3.1 C5.2 C6.2 C119.2 C120.2 C121.1 C122.1 D1.1 D2.1 D5.1 P3.1 P3.2 P3.3 P3.4 P3.5 P3.6 P3.7 P3.8 P3.9 P3.10 P3.11 P3.12 P11.1 R7.2 R120.2 | length 6282.7
  Top Layer w10: D2.1@10415.75,4960.63 10415.75,4584.25 10844.09,4155.91 D5.1@10844.09,3779.53 ; D5.1@10844.09,3385.83 10844.09,3211.02 11023.62,3031.5 11608.32,3031.5 11619.91,3043.09 11619.91,3374.24 D1.1@11631.5,3385.83 11929.13,3088.19 11929.13,1028.52 ; 11181.1,905.51 11316.54,1040.94
  Bottom Layer w25: C3.1@7637.8,1003.94 7755.91,1122.05 R7.2@7755.91,1829.72
-2.5V_A: -2.5V_OA.1 -2.5VCC.1 R57.2 R68.1 R84.2 R95.1 R117.2 SB1.2 | length 4575.7
  Top Layer w20: R117.2@8677,1780.15 8872.57,1780.15 8956.69,1696.02 v1(8956.69,1692.91) 8996.06,1653.54 ; -2.5VCC.1@8799.21,1653.54 8996.06,1653.54 ; R95.1@9113.19,2086.61 9113.19,1968.5 ; -2.5V_OA.1@9687.01,2047.24 9687.01,1980.22 9675.29,1968.5 9113.19,1968.5 ; v2(9996.04,2297.64) 9996.04,1629.32 10000,1625.35 ; R68.1@10236.22,1790.35 10236.22,1653.54 10208.03,1625.35 10000,1625.35 ; 8996.06,1653.54 9024.25,1625.35 9114.17,1625.35 ; 9113.19,1968.5 9113.19,1626.34 9114.17,1625.35 ; 9114.17,1625.35 10000,1625.35
  Bottom Layer w20: SB1.2@8829.2,1577.12 8885.92,1577.12 8897.64,1588.83 8897.64,1681.2 8909.35,1692.91 v1(8956.69,1692.91) ; v2(9996.04,2297.64) 9996.04,2673.2 10039.37,2716.54 R57.2@10196.85,2716.54
-5V_A_E: P2.11 P2.12 SB1.1
  other v2: 8543.31,1496.06 8602.36,1496.06 8661.42,1496.06 8720.47,1496.06 8779.53,1496.06
ACS_HV_OUT_1_6: ACS1_Out.1 C38.2 R176.2 U5.3 | length 1573.4
  Bottom Layer w20: R176.2@11358.27,2913.39 11574.8,2913.39 ; ACS1_Out.1@11574.8,2992.13 11574.8,2913.39 ; C38.2@12161.3,3464.57 12161.3,2945.32 12129.36,2913.39 11574.8,2913.39
  Bottom Layer w25: C38.2@12161.3,3464.57 12163.33,3466.59 12163.33,3620.02 U5.3@12165.35,3622.05
ACS_HV_OUT_2_7: ACS2_Out.1 C46.2 C53.2 U6.5 U8.3 | length 1216.5
  Top Layer w20: ACS2_Out.1@10269.33,2117.63 10502.12,2117.63 10528.8,2090.94 U8.3@10539.37,2090.94
  Bottom Layer w20: U6.5@9976.57,1802.17 10148.62,1802.17 10177.17,1830.71 10177.17,1870.08 ; C46.2@10177.17,2027.56 10177.17,1870.08 ; U8.3@10539.37,2090.94 10413.66,2090.94 10397.2,2074.49 10397.2,1950.74 10372.09,1925.63 10232.72,1925.63 10177.17,1870.08
Chassis: C54.1 C55.1 C64.1 C65.2 C66.2 C106.2 D39.2 J1.3 J2.1 | length 4981.6
  Top Layer w50: C54.1@2086.61,4094.49 2081.12,4099.99 2041.75,4099.99 1850.39,4291.34 C65.2@1850.39,4488.19 1653.54,4488.19 D39.2@1535.43,4370.08 1437.01,4271.65 1437.01,3622.05 1555.12,3503.94 3976.38,3503.94 C66.2@4094.49,3622.05 ; C66.2@4086.71,3622.05 C55.1@4330.71,3622.05 ; C106.2@7834.65,5275.59 C64.1@7834.65,5590.55
  other v1: 181.1,3488.19 417.32,3488.19 653.54,3488.19 889.76,3488.19 1125.98,3488.19 1362.2,3488.19 1598.43,3488.19 1834.65,3488.19 2070.87,3488.19 2307.09,3488.19 2543.31,3488.19 2779.53,3488.19 3015.75,3488.19 3251.97,3488.19 3488.19,3488.19 3724.41,3488.19 889.76,3724.41 1362.2,3724.41 3015.75,3724.41 3251.97,3724.41 3488.19,3724.41 3960.63,3724.41 4196.85,3724.41 4433.07,3724.41 181.1,3960.63 417.32,3960.63 653.54,3960.63 1125.98,3960.63 1598.43,3960.63 2307.09,3960.63 2543.31,3960.63 3251.97,3960.63 3488.19,3960.63 4196.85,3960.63 4433.07,3960.63 181.1,4196.85 417.32,4196.85 653.54,4196.85 889.76,4196.85 2070.87,4196.85 2543.31,4196.85 2779.53,4196.85 3488.19,4196.85 3724.41,4196.85 3960.63,4196.85 4433.07,4196.85 181.1,4433.07 3015.75,4433.07 3724.41,4433.07 3960.63,4433.07 4196.85,4433.07 4433.07,4433.07 181.1,4669.29 4196.85,4669.29 4433.07,4669.29 181.1,4905.51 3960.63,4905.51 181.1,5141.73 3960.63,5141.73 4196.85,5141.73 181.1,5377.95 3960.63,5377.95 6322.84,5377.95 6559.06,5377.95 6795.28,5377.95 7031.5,5377.95 7267.72,5377.95 7503.94,5377.95 7740.16,5377.95 2779.53,5614.17 3015.75,5614.17 3251.97,5614.17 3488.19,5614.17 3724.41,5614.17 3960.63,5614.17 4196.85,5614.17 4433.07,5614.17 4669.29,5614.17 4905.51,5614.17 6559.06,5614.17 7740.16,5614.17 181.1,5850.39 417.32,5850.39 2779.53,5850.39 3015.75,5850.39 3251.97,5850.39 3488.19,5850.39 3724.41,5850.39 3960.63,5850.39 4196.85,5850.39 4433.07,5850.39 4669.29,5850.39 4905.51,5850.39 417.32,6086.61 2543.31,6086.61 2779.53,6086.61 3015.75,6086.61 3251.97,6086.61 3488.19,6086.61 3724.41,6086.61 3960.63,6086.61 4196.85,6086.61 4433.07,6086.61 4669.29,6086.61 4905.51,6086.61 5141.73,6086.61 6559.06,6086.61
CSA: CSA.1 D10.3 D24.1 D37.1 R20.1 R23.2 R27.1 R55.1 R56.1 | length 11270
  Top Layer w15: 5511.81,2275.28 5511.81,1905.43 5570.03,1847.2 6729.09,1847.2 6827.52,1945.63 7893.7,1945.63 ; CSA.1@7952.76,2047.24 7948.11,2047.24 7893.7,1992.83 7893.7,1945.63 ; D10.3@8272.64,2165.35 D10.3@8271.08,2166.91 ; v1(8799.21,2559.06) 8651.95,2411.79 8288.26,2411.79 8269.26,2392.79 8269.26,2368.48 8267.72,2366.94 R27.1@8267.72,2362.2 8269.26,2360.66 v1(8269.26,2283.46) 8269.26,2168.73 D10.3@8271.08,2166.91 ; 7893.7,1945.63 8199.87,1945.63 8271.08,2016.84 D10.3@8271.08,2166.91
  Top Layer w20: v2(3208.66,1988.19) 3208.66,2027.56 3456.38,2275.28 5511.81,2275.28 5559.37,2275.28 5575.79,2258.86 D24.1@5575.79,2202.76
  Bottom Layer w10: R20.1@8267.72,2281.92 v1(8269.26,2283.46)
  Bottom Layer w15: D37.1@1576.77,1156.5 1576.77,1148.62 1623.03,1102.36 1732.28,1102.36 1807.83,1177.91 3087.36,1177.91 3149.61,1240.16 3149.61,1850.39 3208.66,1909.45 v2(3208.66,1988.19) ; v1(8799.21,2559.06) 8937.01,2696.85 R55.1@9862.2,2696.85 9862.2,2375.56 10024.85,2212.91 10145.98,2212.91 10177.17,2244.09 R56.1@10177.17,2342.52